# Altium PCB GE21_M1_pku_f100.PcbDoc (part 13 of 19) (continued)
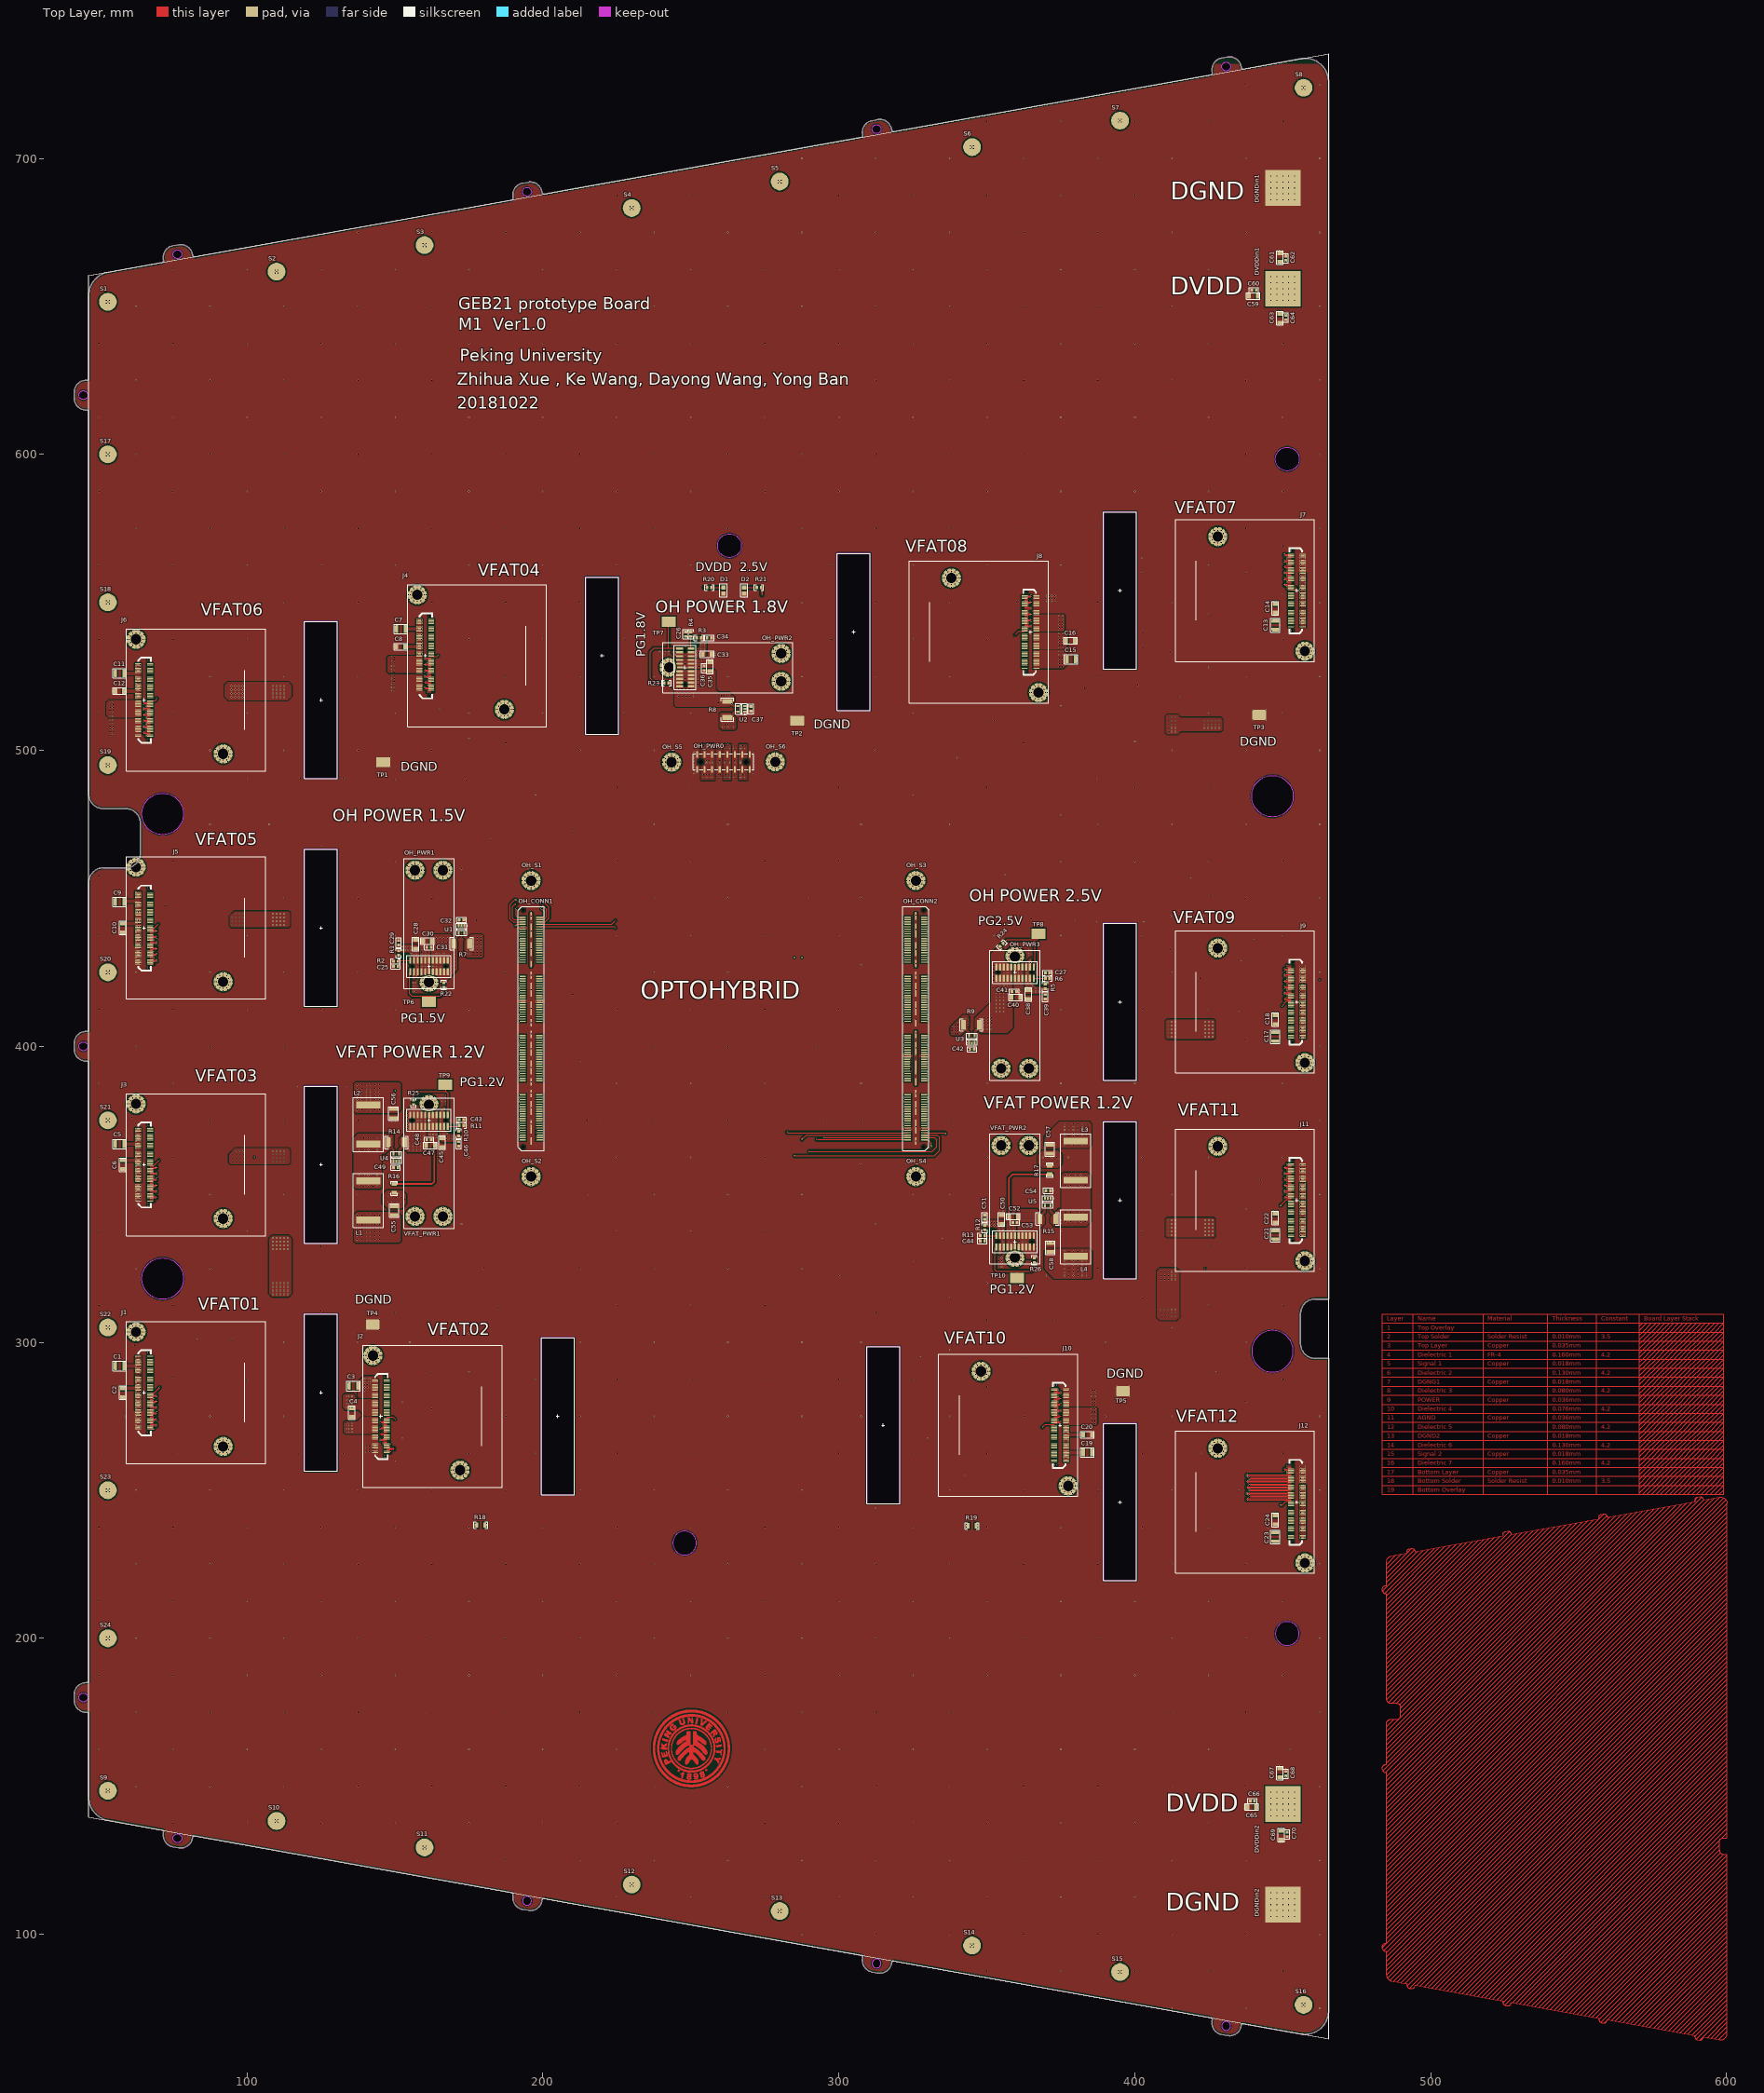
[diagram p0: Top Layer view]
## Nets (pads, with @x,y where several pads share a name; then routed paths per layer and width w, separated by ;. In a path a pad name is that pad's centre, name@x,y a point inside that pad or via, vN(x,y) a via of type N, cw(c..) or ccw(c..) an arc to the next point about the centre after c; other vN are vias at no path point) (continued)
246.572,159.148 ; 245.556,159.173 246.597,159.173 ; 245.556,159.199 246.623,159.199 ; 245.556,159.224 246.648,159.224 ; 245.556,159.377 246.75,159.377 ; 245.556,159.402 246.775,159.402 ; 245.556,159.427 246.8,159.427 ; 245.556,159.453 246.826,159.453 ; 245.556,159.478 246.851,159.478 ; 245.556,162.729 247.385,162.729 ; 245.556,165.32 247.334,165.32 ; 245.556,167.911 245.861,167.911 ; 245.556,174.998 248.147,174.998 ; 245.581,152.29 247.41,152.29 ; 245.581,155.287 246.14,155.287 ; 245.581,155.313 246.165,155.313 ; 245.581,155.338 246.165,155.338 ; 245.581,156.303 246.343,156.303 ; 245.581,157.751 245.911,157.751 ; 245.581,159.072 246.521,159.072 ; 245.581,159.097 246.546,159.097 ; 245.581,159.504 246.877,159.504 ; 245.581,159.529 246.877,159.529 ; 245.581,159.554 246.902,159.554 ; 245.581,159.58 246.927,159.58 ; 245.581,162.755 247.41,162.755 ; 245.581,165.346 247.385,165.346 ; 245.581,167.936 245.911,167.936 ; 245.581,169.384 246.343,169.384 ; 245.581,173.397 247.41,173.397 ; 245.607,155.236 246.089,155.236 ; 245.607,155.262 246.115,155.262 ; 245.607,155.363 246.165,155.363 ; 245.607,156.278 246.394,156.278 ; 245.607,157.726 245.937,157.726 ; 245.607,159.046 246.496,159.046 ; 245.607,159.605 246.953,159.605 ; 245.607,159.631 246.978,159.631 ; 245.607,159.656 246.978,159.656 ; 245.607,162.78 247.435,162.78 ; 245.607,162.806 247.461,162.806 ; 245.607,164.177 245.657,164.177 ; 245.607,165.371 247.41,165.371 ; 245.607,167.962 245.937,167.962 ; 245.607,169.41 246.394,169.41 ; 245.632,150.664 248.299,150.664 ; 245.632,152.265 247.512,152.265 ; 245.632,157.7 245.962,157.7 ; 245.632,158.996 246.47,158.996 ; 245.632,159.021 246.47,159.021 ; 245.632,159.681 247.004,159.681 ; 245.632,159.707 247.029,159.707 ; 245.632,159.732 247.054,159.732 ; 245.632,162.831 247.486,162.831 ; 245.632,165.396 247.461,165.396 ; 245.632,167.987 245.962,167.987 ; 245.632,173.423 247.512,173.423 ; 245.632,175.023 248.299,175.023 ; 245.657,155.211 246.064,155.211 ; 245.657,155.389 246.165,155.389 ; 245.657,156.252 246.445,156.252 ; 245.657,157.675 245.988,157.675 ; 245.657,159.758 247.08,159.758 ; 245.657,159.783 247.105,159.783 ; 245.657,162.856 247.512,162.856 ; 245.657,165.422 247.486,165.422 ; 245.657,168.013 245.988,168.013 ; 245.657,169.435 246.445,169.435 ; 245.683,150.639 248.502,150.639 ; 245.683,155.414 246.165,155.414 ; 245.683,155.44 246.115,155.44 ; 245.683,156.227 246.496,156.227 ; 245.683,157.649 246.013,157.649 ; 245.683,158.97 246.445,158.97 ; 245.683,159.808 247.105,159.808 ; 245.683,162.882 247.537,162.882 ; 245.683,162.907 247.562,162.907 ; 245.683,165.447 247.537,165.447 ; 245.683,168.038 246.013,168.038 ; 245.683,169.46 246.496,169.46 ; 245.683,175.048 248.502,175.048 ; 245.708,152.239 247.613,152.239 ; 245.708,155.465 246.089,155.465 ; 245.708,155.49 246.064,155.49 ; 245.708,156.202 246.521,156.202 ; 245.708,157.624 246.064,157.624 ; 245.708,158.945 246.419,158.945 ; 245.708,159.834 247.131,159.834 ; 245.708,162.933 247.588,162.933 ; 245.708,165.473 247.588,165.473 ; 245.708,168.063 246.064,168.063 ; 245.708,173.448 247.613,173.448 ; 245.734,155.186 246.038,155.186 ; 245.734,155.516 246.038,155.516 ; 245.734,155.541 245.988,155.541 ; 245.734,155.567 245.962,155.567 ; 245.734,159.859 247.156,159.859 ; 245.734,162.958 247.613,162.958 ; 245.734,165.498 247.613,165.498 ; 245.734,169.486 246.521,169.486 ; 245.759,150.614 248.68,150.614 ; 245.759,152.214 247.715,152.214 ; 245.759,155.592 245.937,155.592 ; 245.759,155.617 245.886,155.617 ; 245.759,156.176 246.572,156.176 ; 245.759,157.599 246.089,157.599 ; 245.759,158.919 246.394,158.919 ; 245.759,159.885 247.181,159.885 ; 245.759,159.91 247.207,159.91 ; 245.759,162.983 247.639,162.983 ; 245.759,165.523 247.664,165.523 ; 245.759,168.089 246.089,168.089 ; 245.759,169.511 246.572,169.511 ; 245.759,173.474 247.74,173.474 ; 245.759,175.074 248.68,175.074 ; 245.784,155.16 246.013,155.16 ; 245.784,156.151 246.623,156.151 ; 245.784,157.573 246.115,157.573 ; 245.784,159.935 247.232,159.935 ; 245.784,163.009 247.664,163.009 ; 245.784,163.034 247.715,163.034 ; 245.784,165.549 247.715,165.549 ; 245.784,168.114 246.115,168.114 ; 245.81,152.188 247.842,152.188 ; 245.81,157.548 246.14,157.548 ; 245.81,158.894 246.369,158.894 ; 245.81,159.961 247.258,159.961 ; 245.81,163.06 247.74,163.06 ; 245.81,165.574 247.74,165.574 ; 245.81,168.14 246.165,168.14 ; 245.81,169.537 246.623,169.537 ; 245.81,173.499 247.867,173.499 ; 245.835,150.588 248.934,150.588 ; 245.835,155.135 246.013,155.135 ; 245.835,156.125 246.673,156.125 ; 245.835,157.522 246.191,157.522 ; 245.835,159.986 247.258,159.986 ; 245.835,163.085 247.766,163.085 ; 245.835,165.6 247.791,165.6 ; 245.835,168.165 246.191,168.165 ; 245.835,169.562 246.673,169.562 ; 245.835,175.099 248.934,175.099 ; 245.861,155.084 246.013,155.084 ; 245.861,155.109 246.013,155.109 ; 245.861,158.869 246.318,158.869 ; 245.861,160.012 247.283,160.012 ; 245.861,163.11 247.791,163.11 ; 245.861,163.136 247.816,163.136 ; 245.861,165.625 247.842,165.625 ; 245.886,152.163 247.969,152.163 ; 245.886,155.059 245.937,155.059 ; 245.886,156.1 246.724,156.1 ; 245.886,157.497 246.216,157.497 ; 245.886,160.037 247.308,160.037 ; 245.886,160.062 247.334,160.062 ; 245.886,163.161 247.867,163.161 ; 245.886,165.65 247.893,165.65 ; 245.886,168.19 246.216,168.19 ; 245.886,169.587 246.724,169.587 ; 245.886,173.524 247.969,173.524 ; 245.911,150.563 249.213,150.563 ; 245.911,156.075 246.75,156.075 ; 245.911,157.472 246.267,157.472 ; 245.911,160.088 247.359,160.088 ; 245.911,163.187 247.893,163.187 ; 245.911,168.216 246.267,168.216 ; 245.911,169.613 246.775,169.613 ; 245.911,175.125 249.213,175.125 ; 245.937,157.446 246.292,157.446 ; 245.937,158.843 246.267,158.843 ; 245.937,160.113 247.385,160.113 ; 245.937,163.212 247.918,163.212 ; 245.937,165.676 247.943,165.676 ; 245.937,168.241 246.292,168.241 ; 245.962,152.138 248.096,152.138 ; 245.962,156.049 246.826,156.049 ; 245.962,157.421 246.318,157.421 ; 245.962,160.139 247.385,160.139 ; 245.962,163.237 247.943,163.237 ; 245.962,163.263 247.994,163.263 ; 245.962,165.701 247.994,165.701 ; 245.962,168.267 246.318,168.267 ; 245.962,169.638 246.826,169.638 ; 245.962,172.28 246.47,172.28 ; 245.962,172.305 246.445,172.305 ; 245.962,172.331 246.445,172.331 ; 245.962,172.356 246.445,172.356 ; 245.962,172.381 246.445,172.381 ; 245.962,172.407 246.419,172.407 ; 245.962,172.432 246.419,172.432 ; 245.962,172.458 246.419,172.458 ; 245.962,172.483 246.394,172.483 ; 245.962,173.55 248.096,173.55 ; 245.988,150.537 249.645,150.537 ; 245.988,156.024 246.877,156.024 ; 245.988,160.164 247.41,160.164 ; 245.988,160.189 247.435,160.189 ; 245.988,165.727 248.045,165.727 ; 245.988,169.664 246.877,169.664 ; 245.988,172.229 246.496,172.229 ; 245.988,172.254 246.47,172.254 ; 245.988,175.15 249.645,175.15 ; 246.013,152.112 248.223,152.112 ; 246.013,157.395 246.369,157.395 ; 246.013,160.215 247.461,160.215 ; 246.013,163.288 248.02,163.288 ; 246.013,163.314 248.045,163.314 ; 246.013,165.752 249.747,165.752 ; 246.013,168.292 246.343,168.292 ; 246.013,172.178 246.496,172.178 ; 246.013,172.204 246.496,172.204 ; 246.013,172.508 246.394,172.508 ; 246.013,173.575 248.223,173.575 ; 246.038,155.998 246.902,155.998 ; 246.038,157.37 246.394,157.37 ; 246.038,158.818 246.165,158.818 ; 246.038,160.24 247.486,160.24 ; 246.038,163.339 248.096,163.339 ; 246.038,165.777 249.747,165.777 ; 246.038,168.317 246.394,168.317 ; 246.038,169.689 246.927,169.689 ; 246.038,172.127 246.521,172.127 ; 246.038,172.153 246.521,172.153 ; 246.064,150.512 254.293,150.512 ; 246.064,157.345 246.445,157.345 ; 246.064,160.266 247.512,160.266 ; 246.064,163.364 248.121,163.364 ; 246.064,165.803 249.747,165.803 ; 246.064,168.343 246.445,168.343 ; 246.064,172.077 246.546,172.077 ; 246.064,172.102 246.521,172.102 ; 246.064,175.175 254.293,175.175 ; 246.089,152.087 248.375,152.087 ; 246.089,155.973 246.978,155.973 ; 246.089,160.291 247.537,160.291 ; 246.089,163.39 248.147,163.39 ; 246.089,165.828 249.747,165.828 ; 246.089,169.714 246.978,169.714 ; 246.089,172 246.572,172 ; 246.089,172.026 246.546,172.026 ; 246.089,172.051 246.546,172.051 ; 246.089,172.534 246.394,172.534 ; 246.089,173.601 248.375,173.601 ; 246.115,155.948 247.029,155.948 ; 246.115,157.319 246.47,157.319 ; 246.115,160.316 247.562,160.316 ; 246.115,160.342 247.588,160.342 ; 246.115,163.415 248.197,163.415 ; 246.115,165.854 249.747,165.854 ; 246.115,168.368 246.47,168.368 ; 246.115,169.74 247.029,169.74 ; 246.115,171.924 246.597,171.924 ; 246.115,171.95 246.597,171.95 ; 246.115,171.975 246.572,171.975 ; 246.14,150.487 254.217,150.487 ; 246.14,152.061 248.528,152.061 ; 246.14,157.294 246.521,157.294 ; 246.14,160.367 247.613,160.367 ; 246.14,163.441 248.223,163.441 ; 246.14,168.394 246.521,168.394 ; 246.14,171.721 246.673,171.721 ; 246.14,171.746 246.648,171.746 ; 246.14,171.772 246.648,171.772 ; 246.14,171.797 246.648,171.797 ; 246.14,171.823 246.623,171.823 ; 246.14,171.848 246.623,171.848 ; 246.14,171.873 246.623,171.873 ; 246.14,171.899 246.597,171.899 ; 246.14,173.626 248.528,173.626 ; 246.14,175.201 254.217,175.201 ; 246.165,155.922 247.08,155.922 ; 246.165,157.268 246.546,157.268 ; 246.165,160.393 247.639,160.393 ; 246.165,163.466 248.274,163.466 ; 246.165,165.879 249.747,165.879 ; 246.165,169.765 247.08,169.765 ; 246.165,171.67 246.673,171.67 ; 246.165,171.696 246.673,171.696 ; 246.191,160.418 247.639,160.418 ; 246.191,163.491 248.299,163.491 ; 246.191,165.904 249.747,165.904 ; 246.191,168.419 246.546,168.419 ; 246.191,171.619 246.699,171.619 ; 246.191,171.645 246.699,171.645 ; 246.191,172.559 246.394,172.559 ; 246.216,150.461 254.141,150.461 ; 246.216,152.036 248.705,152.036 ; 246.216,155.897 247.131,155.897 ; 246.216,157.243 246.572,157.243 ; 246.216,160.443 247.664,160.443 ; 246.216,163.517 248.35,163.517 ; 246.216,165.93 249.747,165.93 ; 246.216,168.444 246.597,168.444 ; 246.216,169.791 247.156,169.791 ; 246.216,171.569 246.724,171.569 ; 246.216,171.594 246.699,171.594 ; 246.216,173.651 248.705,173.651 ; 246.216,175.226 254.141,175.226 ; 246.242,155.871 247.207,155.871 ; 246.242,157.218 246.623,157.218 ; 246.242,160.469 247.689,160.469 ; 246.242,160.494 247.715,160.494 ; 246.242,163.542 248.375,163.542 ; 246.242,168.47 246.623,168.47 ; 246.242,171.492 246.724,171.492 ; 246.242,171.518 246.724,171.518 ; 246.242,171.543 246.724,171.543 ; 246.267,160.52 247.74,160.52 ; 246.267,163.568 248.426,163.568 ; 246.267,165.955 249.747,165.955 ; 246.267,169.816 247.207,169.816 ; 246.267,171.416 246.775,171.416 ; 246.267,171.442 246.75,171.442 ; 246.267,171.467 246.75,171.467 ; 246.292,150.436 254.065,150.436 ; 246.292,152.011 248.883,152.011 ; 246.292,155.846 247.258,155.846 ; 246.292,157.192 246.673,157.192 ; 246.292,160.545 247.766,160.545 ; 246.292,163.593 248.451,163.593 ; 246.292,165.981 249.747,165.981 ; 246.292,168.495 246.673,168.495 ; 246.292,169.841 247.258,169.841 ; 246.292,171.365 246.826,171.365 ; 246.292,171.391 246.8,171.391 ; 246.292,173.677 248.909,173.677 ; 246.292,175.252 254.065,175.252 ; 246.318,157.167 246.699,157.167 ; 246.318,160.57 247.791,160.57 ; 246.318,163.618 248.502,163.618 ; 246.318,166.006 249.747,166.006 ; 246.318,168.521 246.699,168.521 ; 246.318,171.289 246.902,171.289 ; 246.318,171.315 246.877,171.315 ; 246.318,171.34 246.851,171.34 ; 246.343,151.985 249.112,151.985 ; 246.343,155.821 247.334,155.821 ; 246.343,160.596 247.816,160.596 ; 246.343,163.644 248.553,163.644 ; 246.343,166.031 249.747,166.031 ; 246.343,169.867 247.334,169.867 ; 246.343,171.238 246.978,171.238 ; 246.343,171.264 246.927,171.264 ; 246.343,172.585 246.369,172.585 ; 246.369,150.41 253.989,150.41 ; 246.369,157.141 246.75,157.141 ; 246.369,160.621 247.842,160.621 ; 246.369,163.669 248.578,163.669 ; 246.369,168.546 246.75,168.546 ; 246.369,171.188 247.816,171.188 ; 246.369,171.213 247.029,171.213 ; 246.369,173.702 249.137,173.702 ; 246.369,175.277 253.989,175.277 ; 246.394,155.795 247.385,155.795 ; 246.394,157.116 246.8,157.116 ; 246.394,160.647 247.867,160.647 ; 246.394,160.672 247.893,160.672 ; 246.394,163.695 248.629,163.695 ; 246.394,166.057 249.747,166.057 ; 246.394,168.571 246.8,168.571 ; 246.394,169.892 247.385,169.892 ; 246.394,171.137 247.74,171.137 ; 246.394,171.162 247.766,171.162 ; 246.419,151.96 249.442,151.96 ; 246.419,157.091 246.826,157.091 ; 246.419,160.697 247.918,160.697 ; 246.419,163.72 248.68,163.72 ; 246.419,166.082 249.747,166.082 ; 246.419,171.111 247.715,171.111 ; 246.419,173.728 249.467,173.728 ; 246.445,155.77 247.435,155.77 ; 246.445,160.723 247.943,160.723 ; 246.445,163.745 248.731,163.745 ; 246.445,166.108 249.747,166.108 ; 246.445,168.597 246.826,168.597 ; 246.445,169.918 247.435,169.918 ; 246.445,171.086 247.689,171.086 ; 246.47,150.385 253.887,150.385 ; 246.47,157.065 246.877,157.065 ; 246.47,160.748 247.969,160.748 ; 246.47,163.771 248.756,163.771 ; 246.47,168.622 246.877,168.622 ; 246.47,171.035 247.613,171.035 ; 246.47,171.061 247.639,171.061 ; 246.47,175.302 253.887,175.302 ; 246.496,151.934 250.026,151.934 ; 246.496,155.744 247.512,155.744 ; 246.496,160.774 247.994,160.774 ; 246.496,163.796 248.807,163.796 ; 246.496,166.133 249.747,166.133 ; 246.496,169.943 247.512,169.943 ; 246.496,171.01 247.562,171.01 ; 246.496,173.753 253.862,173.753 ; 246.521,154.144 246.851,154.144 ; 246.521,154.17 247.588,154.17 ; 246.521,154.195 247.588,154.195 ; 246.521,154.22 247.613,154.22 ; 246.521,157.04 246.927,157.04 ; 246.521,160.799 248.02,160.799 ; 246.521,163.822 248.858,163.822 ; 246.521,166.158 249.747,166.158 ; 246.521,168.648 246.927,168.648 ; 246.521,170.984 247.512,170.984 ; 246.546,150.36 253.811,150.36 ; 246.546,154.246 247.613,154.246 ; 246.546,154.271 247.613,154.271 ; 246.546,155.719 247.588,155.719 ; 246.546,157.014 246.978,157.014 ; 246.546,160.824 248.045,160.824 ; 246.546,163.847 248.909,163.847 ; 246.546,166.184 249.747,166.184 ; 246.546,168.673 246.978,168.673 ; 246.546,169.968 247.588,169.968 ; 246.546,170.959 247.461,170.959 ; 246.546,175.328 253.811,175.328 ; 246.572,151.909 253.785,151.909 ; 246.572,154.119 246.724,154.119 ; 246.572,154.297 247.613,154.297 ; 246.572,154.322 247.639,154.322 ; 246.572,160.85 248.07,160.85 ; 246.572,173.778 253.785,173.778 ; 246.597,154.347 247.639,154.347 ; 246.597,155.694 247.639,155.694 ; 246.597,156.989 247.004,156.989 ; 246.597,160.875 248.096,160.875 ; 246.597,160.901 248.121,160.901 ; 246.597,163.872 248.959,163.872 ; 246.597,166.209 249.747,166.209 ; 246.597,168.698 247.029,168.698 ; 246.597,169.994 247.664,169.994 ; 246.597,170.934 247.385,170.934 ; 246.623,150.334 253.735,150.334 ; 246.623,154.373 247.639,154.373 ; 246.623,154.398 247.664,154.398 ; 246.623,160.926 248.147,160.926 ; 246.623,163.898 249.036,163.898 ; 246.623,166.235 249.747,166.235 ; 246.623,175.353 253.735,175.353 ; 246.648,151.884 253.709,151.884 ; 246.648,154.424 246.724,154.424 ; 246.648,155.668 247.74,155.668 ; 246.648,156.964 247.054,156.964 ; 246.648,160.951 248.172,160.951 ; 246.648,163.923 249.112,163.923 ; 246.648,168.724 247.054,168.724 ; 246.648,170.019 247.74,170.019 ; 246.648,170.908 247.308,170.908 ; 246.648,173.804 253.709,173.804 ; 246.673,156.938 247.105,156.938 ; 246.673,160.977 248.197,160.977 ; 246.673,163.949 249.188,163.949 ; 246.673,166.26 249.747,166.26 ; 246.673,168.749 247.105,168.749 ; 246.699,155.643 247.816,155.643 ; 246.699,161.002 248.223,161.002 ; 246.699,163.974 249.264,163.974 ; 246.699,166.285 249.747,166.285 ; 246.699,170.045 247.791,170.045 ; 246.724,150.309 253.633,150.309 ; 246.724,151.858 253.633,151.858 ; 246.724,155.617 247.867,155.617 ; 246.724,156.913 247.156,156.913 ; 246.724,161.028 248.248,161.028 ; 246.724,163.999 249.366,163.999 ; 246.724,168.775 247.156,168.775 ; 246.724,170.883 247.181,170.883 ; 246.724,173.829 253.633,173.829 ; 246.724,175.379 253.633,175.379 ; 246.75,161.053 248.274,161.053 ; 246.75,164.025 249.442,164.025 ; 246.75,166.311 249.747,166.311 ; 246.75,170.07 247.893,170.07 ; 246.775,152.9 247.181,152.9 ; 246.775,152.925 247.181,152.925 ; 246.775,152.95 247.207,152.95 ; 246.775,152.976 247.207,152.976 ; 246.775,153.001 247.207,153.001 ; 246.775,153.027 247.232,153.027 ; 246.775,153.052 247.232,153.052 ; 246.775,153.077 247.232,153.077 ; 246.775,156.887 247.207,156.887 ; 246.775,161.078 248.299,161.078 ; 246.775,166.336 249.747,166.336 ; 246.775,168.8 247.207,168.8 ; 246.8,150.283 253.557,150.283 ; 246.8,151.833 253.557,151.833 ; 246.8,152.849 247.131,152.849 ; 246.8,152.874 247.156,152.874 ; 246.8,153.103 247.258,153.103 ; 246.8,153.128 247.258,153.128 ; 246.8,153.154 247.258,153.154 ; 246.8,155.592 247.943,155.592 ; 246.8,161.104 248.35,161.104 ; 246.8,164.05 249.518,164.05 ; 246.8,168.825 247.258,168.825 ; 246.8,170.095 247.943,170.095 ; 246.8,173.855 253.531,173.855 ; 246.8,175.404 253.557,175.404 ; 246.826,152.823 247.131,152.823 ; 246.826,153.179 247.283,153.179 ; 246.826,156.862 247.258,156.862 ; 246.826,161.129 248.375,161.129 ; 246.826,164.076 249.594,164.076 ; 246.826,166.362 249.747,166.362 ; 246.851,153.204 247.283,153.204 ; 246.851,153.23 247.283,153.23 ; 246.851,155.567 248.045,155.567 ; 246.851,156.837 247.308,156.837 ; 246.851,161.155 248.401,161.155 ; 246.851,164.101 249.645,164.101 ; 246.851,166.387 249.747,166.387 ; 246.851,168.851 247.308,168.851 ; 246.851,170.121 248.045,170.121 ; 246.877,153.255 247.308,153.255 ; 246.877,153.281 247.308,153.281 ; 246.877,153.306 247.308,153.306 ; 246.877,161.18 248.426,161.18 ; 246.877,164.126 249.671,164.126 ; 246.902,150.258 253.455,150.258 ; 246.902,151.807 253.455,151.807 ; 246.902,153.331 247.308,153.331 ; 246.902,153.357 247.334,153.357 ; 246.902,153.382 247.334,153.382 ; 246.902,153.408 247.334,153.408 ; 246.902,153.433 247.359,153.433 ; 246.902,155.541 248.121,155.541 ; 246.902,156.811 247.359,156.811 ; 246.902,161.205 248.451,161.205 ; 246.902,164.152 249.721,164.152 ; 246.902,166.412 249.747,166.412 ; 246.902,168.876 247.359,168.876 ; 246.902,170.146 248.121,170.146 ; 246.902,173.88 253.455,173.88 ; 246.902,175.429 253.455,175.429 ; 246.927,153.458 247.359,153.458 ; 246.927,153.484 247.359,153.484 ; 246.927,153.509 247.359,153.509 ; 246.927,153.535 247.385,153.535 ; 246.927,153.56 247.385,153.56 ; 246.927,153.585 247.385,153.585 ; 246.927,161.231 248.477,161.231 ; 246.927,166.438 249.747,166.438 ; 246.953,153.611 247.41,153.611 ; 246.953,153.636 247.41,153.636 ; 246.953,154.424 247.664,154.424 ; 246.953,155.516 248.223,155.516 ; 246.953,156.786 247.435,156.786 ; 246.953,161.256 248.528,161.256 ; 246.953,164.177 249.747,164.177 ; 246.953,166.463 249.747,166.463 ; 246.953,168.902 247.435,168.902 ; 246.953,170.172 248.223,170.172 ; 246.978,151.782 253.379,151.782 ; 246.978,152.798 247.105,152.798 ; 246.978,153.662 247.41,153.662 ; 246.978,153.687 247.41,153.687 ; 246.978,161.282 248.553,161.282 ; 246.978,161.307 248.578,161.307 ; 246.978,164.203 249.747,164.203 ; 246.978,173.905 253.379,173.905 ; 247.004,150.233 253.354,150.233 ; 247.004,153.712 247.435,153.712 ; 247.004,153.738 247.435,153.738 ; 247.004,154.449 247.689,154.449 ; 247.004,156.76 247.486,156.76 ; 247.004,164.228 249.747,164.228 ; 247.004,166.489 249.747,166.489 ; 247.004,168.927 247.486,168.927 ; 247.004,175.455 253.354,175.455 ; 247.029,153.763 247.435,153.763 ; 247.029,153.789 247.435,153.789 ; 247.029,153.814 247.461,153.814 ; 247.029,153.839 247.461,153.839 ; 247.029,153.865 247.461,153.865 ; 247.029,154.144 247.588,154.144 ; 247.029,155.49 248.324,155.49 ; 247.029,161.332 248.604,161.332 ; 247.029,164.253 249.747,164.253 ; 247.029,170.197 248.299,170.197 ; 247.054,153.89 247.486,153.89 ; 247.054,153.916 247.486,153.916 ; 247.054,153.941 247.486,153.941 ; 247.054,154.119 247.588,154.119 ; 247.054,154.474 247.689,154.474 ; 247.054,156.735 247.537,156.735 ; 247.054,161.358 248.629,161.358 ; 247.054,161.383 248.68,161.383 ; 247.054,166.514 249.747,166.514 ; 247.054,168.952 247.537,168.952 ; 247.08,151.757 253.277,151.757 ; 247.08,153.966 247.512,153.966 ; 247.08,153.992 247.537,153.992 ; 247.08,154.017 247.537,154.017 ; 247.08,154.043 247.562,154.043 ; 247.08,154.068 247.562,154.068 ; 247.08,154.093 247.588,154.093 ; 247.08,155.465 248.426,155.465 ; 247.08,161.409 248.705,161.409 ; 247.08,164.279 249.747,164.279 ; 247.08,170.222 248.426,170.222 ; 247.08,173.931 253.277,173.931 ; 247.105,150.207 253.252,150.207 ; 247.105,154.5 247.715,154.5 ; 247.105,156.71 247.588,156.71 ; 247.105,164.304 249.747,164.304 ; 247.105,166.539 249.747,166.539 ; 247.105,168.978 247.613,168.978 ; 247.105,175.48 253.252,175.48 ; 247.131,154.525 247.715,154.525 ; 247.131,155.44 248.528,155.44 ; 247.131,161.434 248.731,161.434 ; 247.131,164.33 249.747,164.33 ; 247.131,166.565 249.747,166.565 ; 247.131,170.248 248.528,170.248 ; 247.156,151.731 253.201,151.731 ; 247.156,156.684 247.664,156.684 ; 247.156,161.459 248.782,161.459 ; 247.156,164.355 249.747,164.355 ; 247.156,169.003 247.664,169.003 ; 247.156,173.956 253.201,173.956 ; 247.181,154.551 247.715,154.551 ; 247.181,161.485 248.807,161.485 ; 247.181,166.59 249.747,166.59 ; 247.181,172.762 247.689,172.762 ; 247.181,172.788 247.664,172.788 ; 247.181,172.813 247.664,172.813 ; 247.181,172.839 247.664,172.839 ; 247.181,172.864 247.639,172.864 ; 247.207,150.182 253.15,150.182 ; 247.207,154.576 247.715,154.576 ; 247.207,155.414 248.655,155.414 ; 247.207,156.659 247.715,156.659 ; 247.207,161.51 248.832,161.51 ; 247.207,164.38 249.747,164.38 ; 247.207,166.616 249.747,166.616 ; 247.207,169.029 247.715,169.029 ; 247.207,170.273 248.655,170.273 ; 247.207,171.213 247.842,171.213 ; 247.207,172.686 247.715,172.686 ; 247.207,172.712 247.715,172.712 ; 247.207,172.737 247.689,172.737 ; 247.207,172.889 247.639,172.889 ; 247.207,172.915 247.639,172.915 ; 247.207,175.506 253.15,175.506 ; 247.232,156.633 247.791,156.633 ; 247.232,161.536 248.883,161.536 ; 247.232,164.406 249.747,164.406 ; 247.232,172.61 247.766,172.61 ; 247.232,172.635 247.74,172.635 ; 247.232,172.661 247.74,172.661 ; 247.258,151.706 253.1,151.706 ; 247.258,154.601 247.689,154.601 ; 247.258,155.389 248.782,155.389 ; 247.258,161.561 248.909,161.561 ; 247.258,164.431 249.747,164.431 ; 247.258,166.641 249.747,166.641 ; 247.258,169.054 247.791,169.054 ; 247.258,172.559 247.766,172.559 ; 247.258,172.585 247.766,172.585 ; 247.258,173.982 253.1,173.982 ; 247.283,154.627 247.664,154.627 ; 247.283,161.586 248.934,161.586 ; 247.283,170.299 248.782,170.299 ; 247.283,171.238 247.867,171.238 ; 247.283,172.508 247.791,172.508 ; 247.283,172.534 247.766,172.534 ; 247.308,156.608 247.842,156.608 ; 247.308,161.612 248.985,161.612 ; 247.308,164.457 249.747,164.457 ; 247.308,166.666 249.747,166.666 ; 247.308,169.079 247.842,169.079 ; 247.308,171.264 247.893,171.264 ; 247.308,172.432 247.791,172.432 ; 247.308,172.458 247.791,172.458 ; 247.308,172.483 247.791,172.483 ; 247.308,172.94 247.639,172.94 ; 247.334,150.156 253.023,150.156 ; 247.334,154.652 247.613,154.652 ; 247.334,155.363 248.934,155.363 ; 247.334,161.637 249.01,161.637 ; 247.334,164.482 249.747,164.482 ; 247.334,166.692 249.747,166.692 ; 247.334,170.324 248.934,170.324 ; 247.334,171.289 247.918,171.289 ; 247.334,172.356 247.816,172.356 ; 247.334,172.381 247.816,172.381 ; 247.334,172.407 247.791,172.407 ; 247.334,175.531 253.023,175.531 ; 247.359,151.68 252.998,151.68 ; 247.359,156.583 247.918,156.583 ; 247.359,161.663 249.061,161.663 ; 247.359,169.105 247.918,169.105 ; 247.359,171.315 247.943,171.315 ; 247.359,172.254 247.842,172.254 ; 247.359,172.28 247.842,172.28 ; 247.359,172.305 247.816,172.305 ; 247.359,172.331 247.816,172.331 ; 247.359,174.007 252.998,174.007 ; 247.385,154.678 247.562,154.678 ; 247.385,161.688 249.086,161.688 ; 247.385,164.507 249.747,164.507 ; 247.385,166.717 249.747,166.717 ; 247.385,172.204 247.867,172.204 ; 247.385,172.229 247.842,172.229 ; 247.385,172.966 247.613,172.966 ; 247.41,155.338 249.086,155.338 ; 247.41,156.557 247.994,156.557 ; 247.41,161.713 249.137,161.713 ; 247.41,164.533 249.747,164.533 ; 247.41,169.13 247.994,169.13 ; 247.41,170.349 249.112,170.349 ; 247.41,171.34 247.943,171.34 ; 247.41,172.153 247.867,172.153 ; 247.41,172.178 247.867,172.178 ; 247.435,150.131 252.922,150.131 ; 247.435,161.739 249.163,161.739 ; 247.435,166.743 249.747,166.743 ; 247.435,171.365 247.969,171.365 ; 247.435,172 247.918,172 ; 247.435,172.026 247.918,172.026 ; 247.435,172.051 247.893,172.051 ; 247.435,172.077 247.893,172.077 ; 247.435,172.102 247.893,172.102 ; 247.435,172.127 247.867,172.127 ; 247.435,172.991 247.613,172.991 ; 247.435,175.556 252.922,175.556 ; 247.461,161.764 249.213,161.764 ; 247.461,164.558 249.747,164.558 ; 247.461,171.391 247.969,171.391 ; 247.461,171.873 247.969,171.873 ; 247.461,171.899 247.969,171.899 ; 247.461,171.924 247.943,171.924 ; 247.461,171.95 247.943,171.95 ; 247.461,171.975 247.943,171.975 ; 247.486,151.655 252.871,151.655 ; 247.486,155.313 249.29,155.313 ; 247.486,156.532 248.07,156.532 ; 247.486,161.79 249.239,161.79 ; 247.486,164.584 249.747,164.584 ; 247.486,166.768 249.747,166.768 ; 247.486,169.156 248.07,169.156 ; 247.486,170.375 249.29,170.375 ; 247.486,171.416 247.994,171.416 ; 247.486,171.442 247.994,171.442 ; 247.486,171.797 247.994,171.797 ; 247.486,171.823 247.994,171.823 ; 247.486,171.848 247.969,171.848 ; 247.486,173.016 247.613,173.016 ; 247.486,174.032 252.871,174.032 ; 247.512,161.815 249.29,161.815 ; 247.512,166.793 249.747,166.793 ; 247.512,171.467 248.02,171.467 ; 247.512,171.772 247.994,171.772 ; 247.537,155.287 249.544,155.287 ; 247.537,156.506 248.147,156.506 ; 247.537,161.84 249.366,161.84 ; 247.537,164.609 249.747,164.609 ; 247.537,169.181 248.147,169.181 ; 247.537,170.4 249.544,170.4 ; 247.537,171.492 248.02,171.492 ; 247.537,171.518 248.02,171.518 ; 247.537,171.543 248.02,171.543 ; 247.537,171.746 247.994,171.746 ; 247.562,150.106 252.795,150.106 ; 247.562,164.634 249.747,164.634 ; 247.562,166.819 249.747,166.819 ; 247.562,171.569 248.02,171.569 ; 247.562,171.594 248.02,171.594 ; 247.562,171.619 248.02,171.619 ; 247.562,171.645 248.02,171.645 ; 247.562,171.67 248.02,171.67 ; 247.562,171.696 248.02,171.696 ; 247.562,171.721 248.02,171.721 ; 247.562,175.582 252.795,175.582 ; 247.588,151.63 252.769,151.63 ; 247.588,156.481 248.223,156.481 ; 247.588,161.866 250.788,161.866 ; 247.588,174.058 252.769,174.058 ; 247.613,155.262 252.744,155.262 ; 247.613,161.891 252.795,161.891 ; 247.613,164.66 249.747,164.66 ; 247.613,166.844 249.747,166.844 ; 247.613,169.206 248.223,169.206 ; 247.613,170.426 252.744,170.426 ; 247.639,161.917 252.769,161.917 ; 247.664,156.456 248.299,156.456 ; 247.664,161.942 252.744,161.942 ; 247.664,164.685 249.747,164.685 ; 247.664,166.87 249.747,166.87 ; 247.664,169.232 248.299,169.232 ; 247.689,150.08 252.668,150.08 ; 247.689,151.604 252.668,151.604 ; 247.689,155.236 252.668,155.236 ; 247.689,161.967 252.719,161.967 ; 247.689,164.711 249.747,164.711 ; 247.689,170.451 252.668,170.451 ; 247.689,174.083 252.668,174.083 ; 247.689,175.607 252.668,175.607 ; 247.715,156.43 248.401,156.43 ; 247.715,161.993 252.668,161.993 ; 247.715,166.895 249.747,166.895 ; 247.74,164.736 249.747,164.736 ; 247.74,169.257 248.401,169.257 ; 247.766,155.211 252.592,155.211 ; 247.766,162.018 252.642,162.018 ; 247.766,164.761 249.747,164.761 ; 247.766,166.92 249.747,166.92 ; 247.766,170.476 252.592,170.476 ; 247.791,156.405 248.502,156.405 ; 247.791,162.044 252.617,162.044 ; 247.791,169.283 248.502,169.283 ; 247.816,151.579 252.541,151.579 ; 247.816,162.069 252.592,162.069 ; 247.816,164.787 249.747,164.787 ; 247.816,166.946 249.747,166.946 ; 247.816,174.109 252.541,174.109 ; 247.842,150.055 252.515,150.055 ; 247.842,155.186 252.515,155.186 ; 247.842,162.094 252.541,162.094 ; 247.842,166.971 249.747,166.971 ; 247.842,170.502 252.515,170.502 ; 247.842,175.633 252.515,175.633 ; 247.867,156.379 248.604,156.379 ; 247.867,164.812 249.747,164.812 ; 247.867,169.308 248.604,169.308 ; 247.893,162.12 252.515,162.12 ; 247.893,166.997 249.747,166.997 ; 247.918,162.145 252.49,162.145 ; 247.918,164.838 249.747,164.838 ; 247.943,151.553 252.414,151.553 ; 247.943,155.16 252.414,155.16 ; 247.943,156.354 248.705,156.354 ; 247.943,162.171 252.465,162.171 ; 247.943,167.022 249.747,167.022